# Altium PCB ASCII_LimeSDR-USB_1v4.PcbDoc (part 5 of 10)
Units mm, origin at the board's own origin, x right, y up, seen from the top; angles counter-clockwise.
Board outline 100 x 60 mm, 12 copper layers (Top, L2, L3, L4, L5, L6, L7, L8, L9, L10, L11, Bottom), stack 1.58 mm thick; 858 components, 627 nets, 4063 pads, 2099 vias.
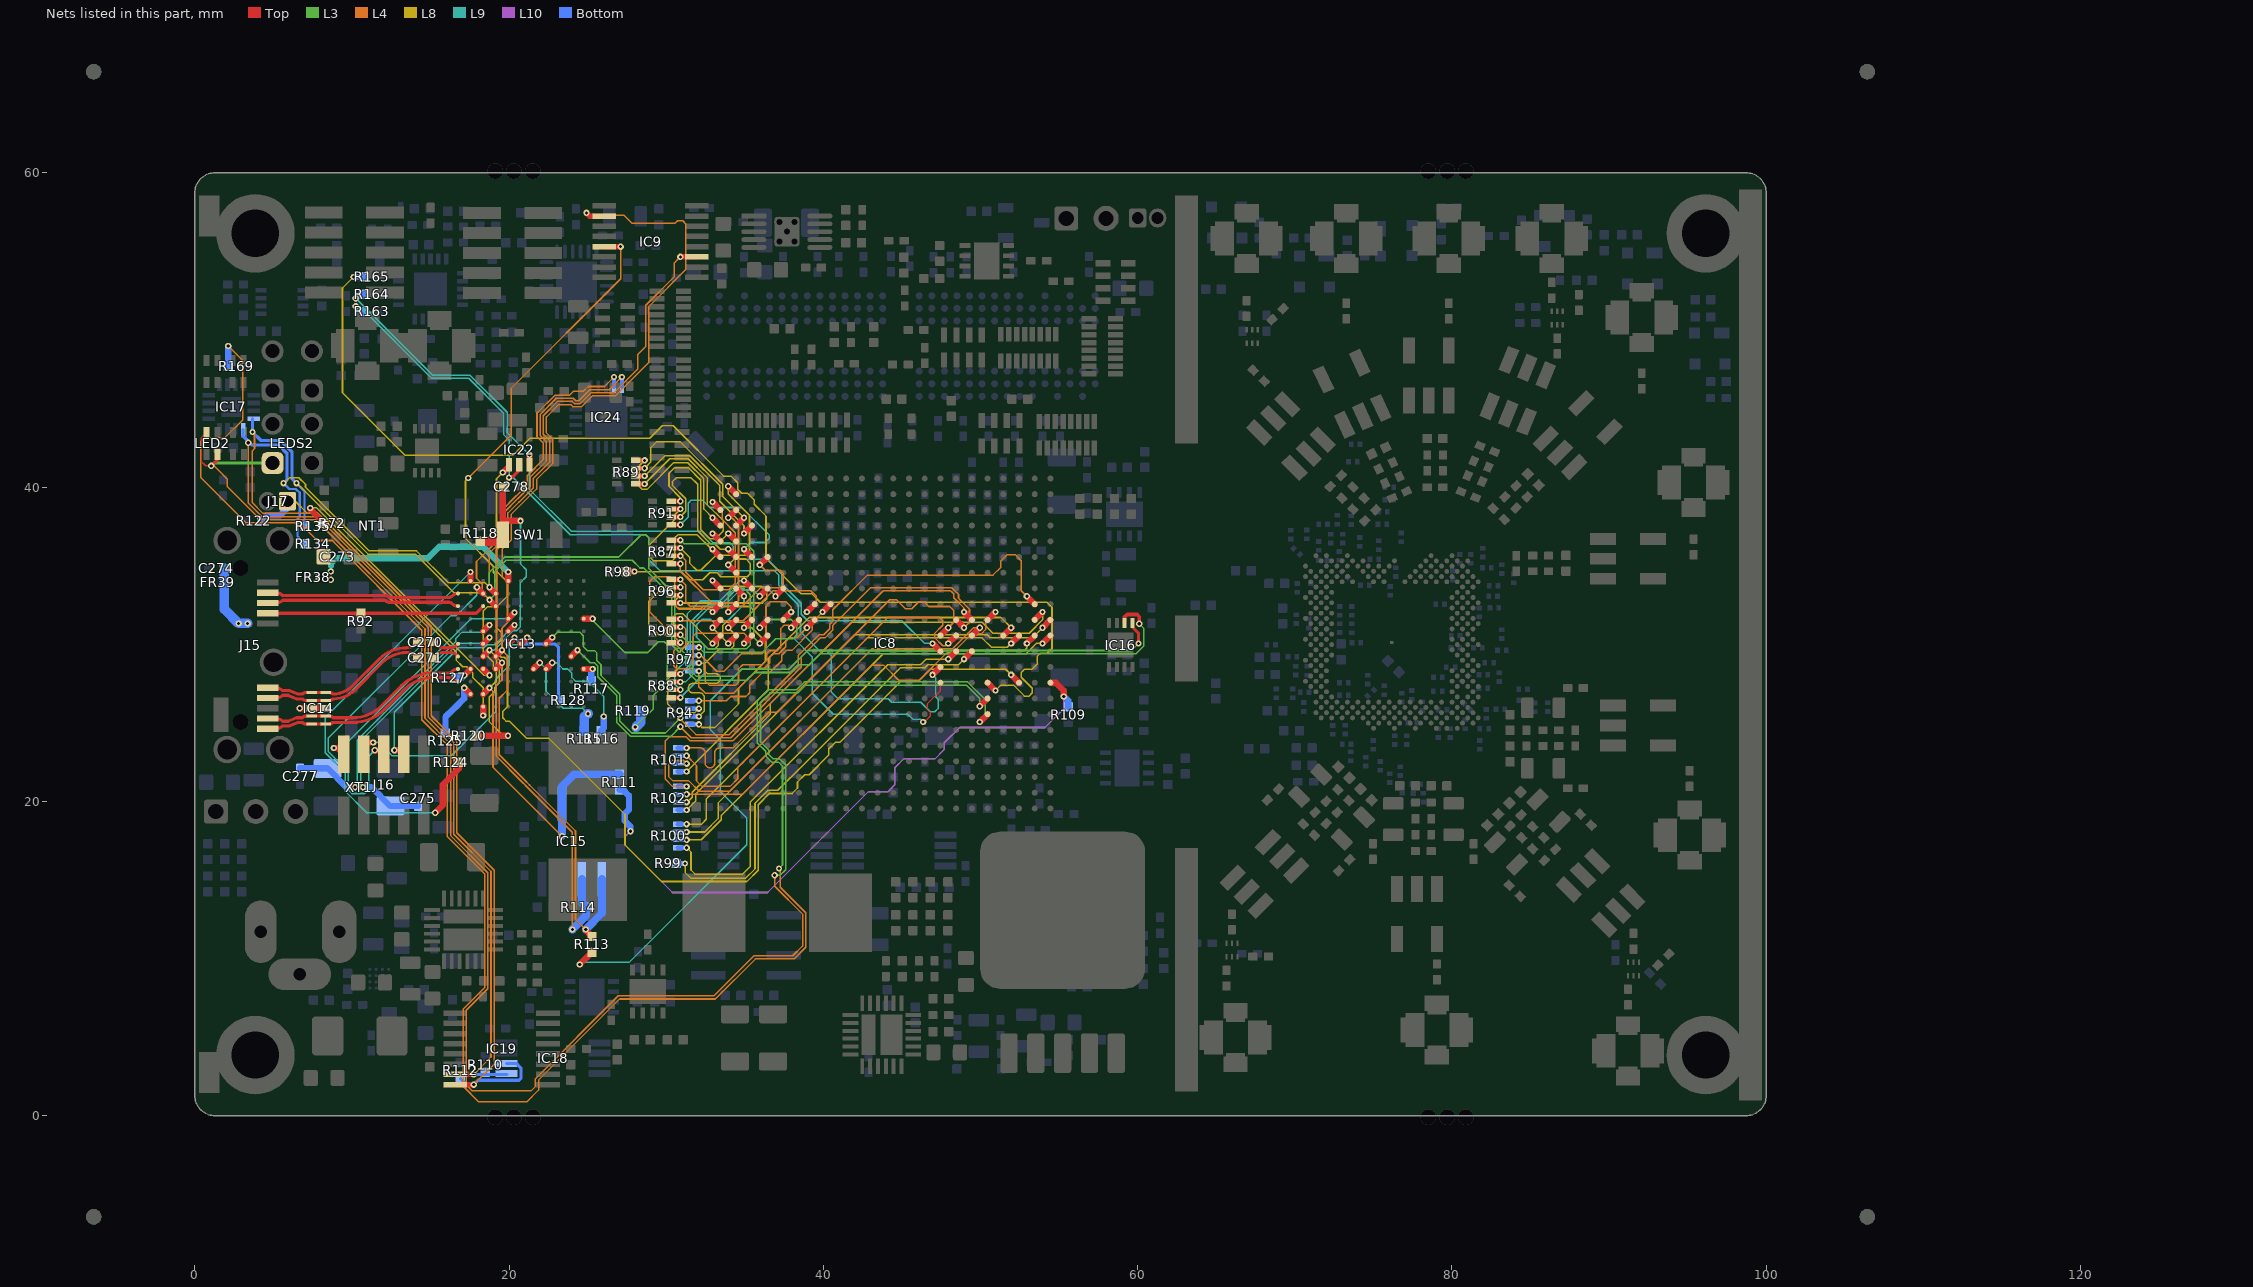
[diagram p13: the nets of this part, all layers, seen from the top]

## Via types
v1: diameter 0.4, hole 0.2, Top to Bottom, tented both sides, 1282 vias
v2: diameter 0.4, hole 0.2, Top to Bottom, tented top, 427 vias
v3: diameter 0.4, hole 0.2, Top to Bottom, 281 vias
v4: diameter 0.31, hole 0.2, Top to Bottom, tented top, 89 vias
v5: diameter 0.5, hole 0.2, Top to Bottom, tented both sides, 20 vias

## Nets (pads, with @x,y where several pads share a name; then routed paths per layer and width w, separated by ;. In a path a pad name is that pad's centre, name@x,y a point inside that pad or via, vN(x,y) a via of type N, cw(c..) or ccw(c..) an arc to the next point about the centre after c; other vN are vias at no path point) (continued)
FPGA_SPI1_ADF_SS: IC8.J5 R165.1 | length 73.3
  Top w0.4: IC8.J5@50.45,27.55 v2(50.95,27.05)
  L8 w0.1: v1(10.1,53.375) 9.4,52.675 9.4,46.008 13.383,42.025 20.25,42.025 21.325,43.1 28.95,43.1 29.75,43.9 30.444,43.9 33.643,40.7 34.125,40.7 34.55,40.275 34.55,39.85 34.8,39.6 35.178,39.6 35.6,39.178 35.6,38.905 36.35,38.155 36.35,35.45 38.6,33.2 39.275,33.2 39.8,32.675 54.225,32.675 54.55,32.35 54.55,29.725 54.25,29.425 53.8,29.425 53.6,29.225 53.6,28.725 53.275,28.4 52.805,28.4 52.6,28.195 52.6,27.905 53.3,27.205 53.3,26.905 53.095,26.7 52.795,26.7 52.095,27.4 51.3,27.4 v2(50.95,27.05)
  Bottom w0.4: v1(10.1,53.375) R165.1@10.775,53.375
FPGA_SPI1_DAC_SS: IC8.J3 IC22.1 | length 64.9
  Top w0.4: v1(19.6,40.925) 20,41.325 IC22.1@20,41.425 ; v1(51.95,28.05) IC8.J3@52.45,27.55
  L8 w0.1: v1(19.6,40.925) 19.2,40.525 19.2,34.65 19.9,33.95 19.9,33.075 19.2,32.375 19.2,31.067 19.5,30.767 19.5,30.275 19.2,29.975 19.2,29.48 19.505,29.175 19.695,29.175 19.9,28.97 19.9,26.025 19.6,25.725 19.6,25.314 19.805,25.109 20.011,25.109 21.095,24.025 22.515,24.025 27.375,19.165 27.375,17.23 29.705,14.9 35.133,14.9 35.85,15.617 35.85,19.792 36.558,20.5 38.009,20.5 38.355,20.846 38.355,21.233 38.822,21.7 39.105,21.7 40.35,22.945 40.35,23.35 40.75,23.75 41.05,23.75 44.975,27.675 46.08,27.675 46.805,28.4 51.6,28.4 v1(51.95,28.05)
FPGA_SPI1_MOSI: IC8.L8 IC22.3 R164.1 | length 51
  Top w0.4: IC22.3@21.3,41.4 IC22.3@21.3,41.425 v1(21.3,42.05) ; v2(46.95,30.05) IC8.L8@47.45,29.55
  L9 w0.1: v1(10.25,52.025) 15.15,47.125 17.508,47.125 19.875,44.758 19.875,43.475 v1(21.3,42.05) 21.3,39.85 23.95,37.2 32.225,37.2 32.975,36.45 34.05,36.45 34.275,36.225 34.275,35.8 34.675,35.4 36.45,35.4 37.35,34.5 37.35,33.85 38.6,32.6 38.6,31.905 39.005,31.5 44.995,31.5 46.445,30.05 v2(46.95,30.05)
  Bottom w0.4: v1(10.25,52.025) 10.5,52.275 R164.1@10.775,52.275 R164.1@10.775,52.175
FPGA_SPI1_SCLK: IC8.K8 IC22.2 R163.1 | length 58.3
  Top w0.2: v1@20.05,40.625 20.2,40.625 20.65,41.075 IC22.2@20.65,41.425
  Top w0.4: v2(46.95,28.05) IC8.K8@47.45,28.55
  L9 w0.1: v1(10.25,51.5) 10.492,51.5 15.067,46.925 17.425,46.925 19.65,44.7 19.65,43.35 20,43 v1(20,40.6) 20.267,40.6 23.892,36.975 28.695,36.975 28.925,36.745 28.925,35.35 29.6,34.675 36.892,34.675 37.15,34.417 37.15,33.767 38.4,32.517 38.4,31.7 38.545,31.555 38.545,30.799 39.743,29.6 40.178,29.6 40.5,29.278 40.5,26.958 40.933,26.525 44.125,26.525 44.35,26.3 46.205,26.3 46.805,25.7 47.095,25.7 47.3,25.905 47.3,26.5 47.15,26.65 47.15,27.85 v2(46.95,28.05)
  Bottom w0.4: v1(10.25,51.5) 10.575,51.175 R163.1@10.775,51.175
FPGA_UART_RX: IC8.J1 R109.2 R111.2 | length 42.2
  Top w0.4: IC8.J1@54.45,27.55 54.8,27.55 55.3,27.05 v2(55.3,26.675)
  L10 w0.1: v1(27.725,18.1) 27.375,17.75 27.375,17.225 30.4,14.2 36.445,14.2 42.845,20.6 44.1,20.6 44.55,21.05 44.55,22.145 45.105,22.7 47.105,22.7 47.7,23.295 47.7,23.725 48.675,24.7 54.105,24.7 55.3,25.895 v2(55.3,26.675)
  Bottom w0.4: R111.2@27.025,20.725 27.25,20.725 27.625,20.35 27.625,19.475 27.359,19.209 27.359,18.759 27.725,18.393 v1(27.725,18.1) ; v2(55.3,26.675) 55.575,26.4 R109.2@55.575,26.025
FPGA_UART_TX: IC8.J8 R113.2 | length 46.9
  Top w0.1: v2(46.35,25.05) 46.431,25.05 46.79,25.409 46.79,25.715 46.6,25.905 46.6,26.195 47.45,27.045 IC8.J8@47.45,27.55
  Top w0.4: v1(24.5,9.625) R113.2@25.275,10.4
  L9 w0.1: v1(24.5,9.625) 24.65,9.775 27.658,9.775 35.125,17.242 35.125,18.944 33.45,20.619 33.45,23.924 32.8,24.574 32.8,26.395 34.805,28.4 35.795,28.4 36.135,28.74 36.145,28.74 37.805,30.4 38.095,30.4 39.3,29.195 39.3,26.875 40.625,25.55 45.375,25.55 45.7,25.225 46.175,25.225 v2(46.35,25.05)
FX3_CTL0: IC8.L6 R99.2 | length 28
  Top w0.4: v2(48.95,29.05) IC8.L6@49.45,29.55
  L8 w0.1: v1(31.2,16.05) 31.2,15.475 31.575,15.1 35.05,15.1 35.65,15.7 35.65,19.875 36.475,20.7 37.105,20.7 38.805,22.4 44.905,28.5 46.45,28.5 46.65,28.7 48.6,28.7 v2(48.95,29.05)
  Bottom w0.3: R99.2@30.625,16.05 v1(31.2,16.05)
FX3_CTL1: IC8.L7 R100.2 | length 27.4
  Top w0.4: v2(47.95,29.05) IC8.L7@48.45,29.55
  L8 w0.1: v1(31.3,17.05) 31.575,16.775 31.575,15.625 31.825,15.375 34.875,15.375 35.35,15.85 35.35,19.955 44.095,28.7 46.175,28.7 46.525,29.05 v2(47.95,29.05)
  Bottom w0.3: R100.2@30.725,17.05 v1(31.3,17.05)
FX3_CTL2: IC8.M1 R100.4 | length 29.3
  Top w0.4: v2(53.95,30.05) IC8.M1@54.45,30.55
  L8 w0.1: v1(31.3,17.55) 32.228,17.55 33.5,18.822 33.5,19.095 43.805,29.4 52.9,29.4 53.55,30.05 v2(53.95,30.05)
  Bottom w0.3: R100.4@30.725,17.55 v1(31.3,17.55)
FX3_CTL3: IC8.M2 R100.6 | length 28.7
  Top w0.4: v2(52.95,30.05) IC8.M2@53.45,30.55
  L8 w0.1: v1(31.3,18.05) 32.445,18.05 33.3,18.905 33.3,19.9 43,29.6 52.8,29.6 52.95,29.75 v2(52.95,30.05)
  Bottom w0.3: R100.6@30.725,18.05 v1(31.3,18.05)
FX3_CTL4: IC8.M3 R100.8 | length 27.9
  Top w0.4: v2(51.95,30.05) IC8.M3@52.45,30.55
  L8 w0.1: v1(31.3,18.55) 32.237,18.55 32.55,18.862 32.55,20.145 42.805,30.4 49.625,30.4 50.095,30.4 50.695,29.8 51.7,29.8 v2(51.95,30.05)
  Bottom w0.3: R100.8@30.725,18.55 v1(31.3,18.55)
FX3_CTL5: IC8.M4 R101.2 | length 27.4
  Top w0.4: IC8.M4@51.45,30.55 v2(51.95,31.05)
  L8 w0.1: v1(31.3,21.9) 36.5,27.1 36.5,29.095 39.105,31.7 51.3,31.7 v2(51.95,31.05)
  Bottom w0.3: R101.2@30.725,21.9 v1(31.3,21.9)
FX3_CTL6: IC8.M6 R101.4 | length 27.9
  Top w0.4: IC8.M6@49.45,30.55 v2(49.95,31.05)
  L4 w0.1: v1(31.3,22.4) 31.075,22.625 30.425,22.625 30.15,22.35 30.15,21.575 30.425,21.3 31.445,21.3 32.095,20.65 34.045,20.65 43.095,29.7 48.2,29.7 49.55,31.05 v2(49.95,31.05)
  Bottom w0.3: R101.4@30.725,22.4 v1(31.3,22.4)
FX3_CTL7: IC8.M7 R101.6 | length 26.3
  Top w0.4: v2(47.95,30.05) IC8.M7@48.45,30.55
  L4 w0.1: v1(31.3,22.9) 31.925,22.275 31.925,21.3 32.25,20.975 34.087,20.975 34.555,21.443 34.555,22.15 34.93,22.525 34.93,22.535 44.095,31.7 47.375,31.7 47.6,31.475 47.6,31.205 47.075,30.68 47.075,30.425 47.6,29.9 47.8,29.9 v2(47.95,30.05)
  Bottom w0.3: R101.6@30.725,22.9 v1(31.3,22.9)
FX3_CTL8: IC8.M8 R101.8 | length 26.1
  Top w0.4: IC8.M8@47.45,30.55 v2(47.95,31.05)
  L4 w0.1: v1(31.3,23.4) 32.175,23.4 cw(c32.175,23.096) 32.479,23.096 32.479,22.434 ccw(c32.783,22.434) 32.783,22.13 ccw(c32.783,22.434) 33.087,22.434 33.087,23.096 cw(c33.391,23.096) 33.391,23.4 33.695,23.4 33.75,23.4 34.25,23.4 36.525,25.675 37.07,25.675 44.22,32.825 44.65,32.825 45.225,32.25 45.625,32.25 46.075,32.7 46.4,32.7 46.7,32.4 48.05,32.4 48.3,32.15 48.3,31.4 v2(47.95,31.05)
  Bottom w0.3: R101.8@30.725,23.4 v1(31.3,23.4)
FX3_CTL9: IC8.N1 R102.2 | length 29.2
  Top w0.4: v2(53.95,31.05) IC8.N1@54.45,31.55
  L8 w0.1: v1(31.3,19.45) 31.875,20.025 31.875,20.47 42.005,30.6 49.753,30.6 50.425,30.6 50.625,30.4 53.3,30.4 v2(53.95,31.05)
  Bottom w0.3: R102.2@30.725,19.45 v1(31.3,19.45)
FX3_CTL10: IC8.N2 R102.4 | length 30.4
  Top w0.4: IC8.N2@53.45,31.55 v2(53.95,32.05)
  L8 w0.1: v1(31.3,19.95) 31.345,19.95 31.65,20.255 31.65,20.575 36.63,25.555 36.63,26.225 41.805,31.4 49.553,31.4 50.095,31.4 50.795,30.7 53.1,30.7 53.95,31.55 v2(53.95,32.05)
  Bottom w0.3: R102.4@30.725,19.95 v1(31.3,19.95)
FX3_CTL11: IC8.N5 R102.6 | length 26.8
  Top w0.4: IC8.N5@50.45,31.55 v2(50.95,32.05)
  L4 w0.1: v1(31.3,20.45) 34.855,20.45 43.055,28.65 43.855,28.65 44.805,27.7 46.095,27.7 47.895,29.5 48.283,29.5 49.46,30.678 50.072,30.678 50.325,30.93 50.325,31.425 v2(50.95,32.05)
  Bottom w0.3: R102.6@30.725,20.45 v1(31.3,20.45)
FX3_CTL12: IC8.N6 R102.8 | length 29.3
  Top w0.4: v2(48.95,32.05) IC8.N6@49.45,31.55
  L4 w0.1: v1(31.3,20.95) 30.4,20.95 29.95,21.4 29.95,23.85 30.225,24.125 31.242,24.125 31.517,23.85 34.255,23.85 43.805,33.4 48.095,33.4 48.3,33.195 48.3,32.95 48.95,32.3 v2(48.95,32.05)
  Bottom w0.3: R102.8@30.725,20.95 v1(31.3,20.95)
FX3_DCTL9: IC8.P2 IC13.H6 | length 45.4
  Top w0.4: IC13.H6@22.35,30.025 v2(22.75,30.425) ; v2(52.95,33.05) IC8.P2@53.45,32.55
  L3 w0.1: v2(22.75,30.425) 23.1,30.775 24.495,30.775 24.725,30.545 24.725,29.85 25,29.575 25.461,29.575 25.566,29.47 25.566,28.984 25.85,28.7 25.85,28.016 27.05,26.816 27.05,25.108 27.808,24.35 29.95,24.35 v1(30.9,25.3)
  L4 w0.1: v1(30.9,25.3) 30.9,25.245 31.895,24.25 34.017,24.25 38.4,28.633 38.4,29.278 39.6,30.478 39.722,30.6 40.017,30.6 40.4,30.983 40.4,31.278 40.6,31.478 40.6,32.195 40.85,32.445 42.805,34.4 49.095,34.4 50.795,34.4 51.3,34.905 51.3,35.319 51.681,35.7 52.219,35.7 52.6,35.319 52.6,33.4 v2(52.95,33.05)
FX3_DCTL10: IC8.N7 IC13.K5 | length 37
  Top w0.4: IC13.K5@23.95,29.225 v2(24.35,29.625) ; IC8.N7@48.45,31.55 v2(48.95,31.05)
  L3 w0.1: v2(24.35,29.625) 24.358,29.625 25.158,28.825 25.442,28.825 25.65,28.617 25.65,27.933 26.85,26.733 26.85,25.025 27.725,24.15 30.3,24.15 v1(30.9,24.75)
  L4 w0.1: v1(30.9,24.75) 31.6,24.05 34.1,24.05 38.6,28.55 38.6,29.195 39.805,30.4 ; 39.8,30.395 39.805,30.4 ; v2(48.95,31.05) 49.3,31.4 49.3,32.233 48.6,32.933 48.6,33.178 48.178,33.6 43.005,33.6 41.09,31.685 40.6,31.195 40.6,30.9 40.1,30.4 39.805,30.4
FX3_DQ0: IC8.M19 R87.2 | length 12.3
  Top w0.3: R87.2@30.325,36.625 v1(30.9,36.625)
  Top w0.4: v2(35.95,30.05) IC8.M19@36.45,30.55
  L3 w0.1: v1(30.9,36.625) 31.118,36.407 35.088,36.407 35.575,35.92 35.575,30.425 v2(35.95,30.05)
FX3_DQ1: IC8.AA21 R87.4 | length 11.7
  Top w0.3: R87.4@30.325,36.125 v1(30.9,36.125)
  Top w0.4: v2(33.95,40.05) IC8.AA21@34.45,39.55
  L8 w0.1: v1(30.9,36.125) 31.487,35.537 31.487,35.163 31.95,34.7 32.2,34.7 33.15,35.65 35.045,35.65 35.3,35.905 35.3,38.205 33.95,39.555 v2(33.95,40.05)
FX3_DQ2: IC8.Y22 R87.6 | length 12
  Top w0.3: R87.6@30.325,35.625 v1(30.9,35.625)
  Top w0.4: v2(32.95,39.05) IC8.Y22@33.45,38.55
  L4 w0.1: v1@30.925,35.65 31.25,35.325 31.25,34.583 32.358,33.475 33.975,33.475 34.4,33.9 34.4,37.095 33.575,37.92 33.575,38.425 v2(32.95,39.05)
FX3_DQ3: IC8.Y21 R87.8 | length 12
  Top w0.3: R87.8@30.325,35.125 v1(30.9,35.125)
  Top w0.4: v2(33.95,38.05) IC8.Y21@34.45,38.55
  L4 w0.1: v1(30.9,35.125) 30.9,34.65 32.925,32.625 34.45,32.625 34.6,32.775 34.6,37.622 34.172,38.05 v2(33.95,38.05)
FX3_DQ4: IC8.W22 R89.2 | length 11.1
  Top w0.3: R89.2@28.05,41.7 v1(28.625,41.7)
  Top w0.4: v2(32.95,38.05) IC8.W22@33.45,37.55
  L8 w0.1: v1(28.625,41.7) 28.275,41.35 28.275,40.055 28.48,39.85 28.77,39.85 30.47,41.55 31.375,41.55 32.4,40.525 32.4,38.6 v2(32.95,38.05)
FX3_DQ5: IC8.W21 R89.4 | length 11.3
  Top w0.3: R89.4@28.05,41.2 v1(28.625,41.2)
  Top w0.4: IC8.W21@34.45,37.55 v2(34.95,38.05)
  L8 w0.1: v1(28.625,41.2) 28.625,41.205 29.025,41.605 29.025,42.525 29.375,42.875 30.903,42.875 33.6,40.178 33.6,39.4 v2(34.95,38.05)
FX3_DQ6: IC8.W20 R89.6 | length 11.1
  Top w0.3: R89.6@28.05,40.7 v1(28.625,40.7)
  Top w0.4: v2(34.95,37.05) IC8.W20@35.45,37.55
  L8 w0.1: v1(28.625,40.7) 29.925,42 31.495,42 33.4,40.095 33.4,39.095 34.95,37.545 v2(34.95,37.05)
FX3_DQ7: IC8.V22 R89.8 | length 11.1
  Top w0.3: R89.8@28.05,40.2 v1(28.625,40.2)
  Top w0.4: v2(32.95,37.05) IC8.V22@33.45,36.55
  L8 w0.1: v1(28.625,40.2) 28.625,40.205 30.22,41.8 31.408,41.8 32.6,40.608 32.6,38.895 33.625,37.87 33.625,37.22 33.6,37.195 33.6,37.175 33.325,36.9 33.1,36.9 v2(32.95,37.05)
FX3_DQ8: IC8.V21 R91.2 | length 11.1
  Top w0.3: R91.2@30.325,39.1 v1(30.9,39.1)
  Top w0.4: v2(33.95,37.05) IC8.V21@34.45,36.55
  L8 w0.1: v1(30.9,39.1) 30.9,39.325 30.175,40.05 30.175,40.875 30.525,41.225 31.417,41.225 32.2,40.442 32.2,37.305 32.805,36.7 33.6,36.7 v2(33.95,37.05)
FX3_DQ9: IC8.U22 R91.4 | length 11.1
  Top w0.3: R91.4@30.325,38.6 v1(30.9,38.6)
  Top w0.4: v2(32.95,36.05) IC8.U22@33.45,35.55
  L8 w0.1: v1(30.9,38.6) 30.9,38.595 30.55,38.245 30.55,37.942 28.9,36.292 28.9,35.6 29.175,35.325 30.4,35.325 30.55,35.475 30.55,36.77 30.755,36.975 31.964,36.975 32.889,36.05 v2(32.95,36.05)
FX3_DQ10: IC8.U21 R91.6 | length 11.3
  Top w0.3: R91.6@30.325,38.1 v1(30.9,38.1)
  Top w0.4: v2(33.95,36.05) IC8.U21@34.45,35.55
  L8 w0.1: v1(30.9,38.1) 30.9,38.105 31.25,38.455 31.25,39.258 30.4,40.108 30.4,40.35 30.65,40.6 31.575,40.6 32,40.175 32,37.222 32.822,36.4 33.095,36.4 33.445,36.05 v2(33.95,36.05)
FX3_DQ11: IC8.U20 R91.8 | length 11.1
  Top w0.3: R91.8@30.325,37.6 v1(30.9,37.6)
  Top w0.4: v2(34.95,36.05) IC8.U20@35.45,35.55
  L9 w0.1: v1(30.9,37.6) 31.4,38.1 31.4,38.975 31.6,39.175 32.3,39.175 32.775,38.7 34.795,38.7 36.55,36.945 36.55,36.725 36.3,36.475 35.375,36.475 v2(34.95,36.05)
FX3_DQ12: IC8.U19 R96.2 | length 12.2
  Top w0.3: R96.2@30.325,34.125 v1(30.9,34.125)
  Top w0.4: v2(35.95,35.05) IC8.U19@36.45,35.55
  L4 w0.1: v1(30.9,34.125) 31.25,33.775 31.25,32.7 31.525,32.425 34.83,32.425 36.005,33.6 37.25,33.6 37.45,33.8 37.45,34.525 37.275,34.7 36.3,34.7 v2(35.95,35.05)
FX3_DQ13: IC8.M22 R96.4 | length 11.1
  Top w0.3: R96.4@30.325,33.625 v1(30.9,33.625)
  Top w0.4: v2(32.95,30.05) IC8.M22@33.45,30.55
  L8 w0.1: v1(30.9,33.625) 29.8,33.625 28.9,32.725 28.9,31.225 29.525,30.6 29.9,30.6 30.45,31.15 30.45,31.725 30.675,31.95 31.05,31.95 v2(32.95,30.05)
FX3_DQ14: IC8.M21 R96.6 | length 11.3
  Top w0.3: R96.6@30.325,33.125 v1(30.9,33.125)
  Top w0.4: v2(33.95,30.05) IC8.M21@34.45,30.55
  L8 w0.1: v1(30.9,33.125) 30.9,33.12 30.55,32.77 30.55,32.48 30.755,32.275 32.22,32.275 32.345,32.4 35.325,32.4 35.575,32.15 35.575,31.65 35.325,31.4 33.805,31.4 33.6,31.195 33.6,30.4 v2(33.95,30.05)
FX3_DQ15: IC8.R22 R96.8 | length 11.1
  Top w0.3: R96.8@30.325,32.625 v1(30.9,32.625)
  Top w0.4: v2(32.95,34.05) IC8.R22@33.45,33.55
  L8 w0.1: v1(30.9,32.625) 36.125,32.625 36.4,32.9 36.4,33.35 36.05,33.7 33.3,33.7 v2(32.95,34.05)
FX3_DQ16: IC8.R21 R88.1 | length 11
  Top w0.3: R88.1@30.325,26.6 v1(30.9,26.6)
  Top w0.4: IC8.R21@34.45,33.55 v2(34.95,33.05)
  L9 w0.1: v1(30.9,26.6) 32.425,28.125 32.425,29.945 31.925,30.445 31.925,31.237 32.288,31.6 32.825,31.6 33.025,31.4 33.825,31.4 34.95,32.525 v2(34.95,33.05)
FX3_DQ17: IC8.R20 R88.3 | length 11.1
  Top w0.3: R88.3@30.325,27.1 v1(30.9,27.1)
  Top w0.4: v2(34.95,34.05) IC8.R20@35.45,33.55
  L9 w0.1: v1(30.9,27.1) 30.55,27.45 30.55,28.245 31.325,29.02 31.325,31.92 32.155,32.75 33.4,32.75 34.7,34.05 v2(34.95,34.05)
FX3_DQ18: IC8.R19 R88.5 | length 10.8
  Top w0.3: R88.5@30.325,27.6 v1(30.9,27.6)
  Top w0.4: v2(35.95,33.05) IC8.R19@36.45,33.55
  L9 w0.1: v1(30.9,27.6) 31.225,27.6 31.725,28.1 31.725,31.32 32.74,32.335 33.585,32.335 34.7,33.45 35.55,33.45 v2(35.95,33.05)
FX3_DQ19: IC8.R18 R88.7 | length 11.4
  Top w0.3: R88.7@30.325,28.1 v1(30.9,28.1)
  Top w0.4: v2(36.95,33.05) IC8.R18@37.45,33.55
  L9 w0.1: v1(30.9,28.1) 31.525,28.725 31.525,31.403 32.657,32.535 33.502,32.535 34.617,33.65 36.35,33.65 v2(36.95,33.05)
FX3_DQ20: IC8.P22 R90.1 | length 11.9
  Top w0.3: R90.1@30.325,30.1 v1(30.9,30.1)
  Top w0.4: v2(32.95,32.05) IC8.P22@33.45,32.55
  L4 w0.1: v1(30.9,30.1) 28.95,32.05 28.95,34 29.25,34.3 30.2,34.3 30.55,33.95 30.55,32.48 30.805,32.225 32.775,32.225 v2(32.95,32.05)
FX3_DQ21: IC8.P21 R90.3 | length 12.2
  Top w0.3: R90.3@30.325,30.6 v1(30.9,30.6)
  Top w0.4: v2(33.95,32.05) IC8.P21@34.45,32.55
  L3 w0.1: v1(30.9,30.6) 31.35,30.15 32.22,30.15 32.67,29.7 35.095,29.7 35.35,29.955 35.35,33.15 34.95,33.55 34.35,33.55 33.95,33.15 v2(33.95,32.05)
FX3_DQ22: IC8.M20 R90.5 | length 12
  Top w0.3: R90.5@30.325,31.1 v1(30.9,31.1)
  Top w0.4: v2(34.95,30.05) IC8.M20@35.45,30.55
  L4 w0.1: v1(30.9,31.1) 31.125,31.1 31.25,30.975 31.25,29.95 31.05,29.75 30.65,29.75 30.475,29.575 30.475,28.625 30.65,28.45 31.575,28.45 31.725,28.6 31.725,30.525 31.9,30.7 34.95,30.7 35.1,30.55 35.1,30.2 v2(34.95,30.05)
FX3_DQ23: IC8.P16 R90.7 | length 12.2
  Top w0.3: R90.7@30.325,31.6 v1(30.9,31.6)
  Top w0.4: v2(38.95,32.05) IC8.P16@39.45,32.55
  L4 w0.1: v1(30.9,31.6) 31,31.5 34.9,31.5 36.8,33.4 39.2,33.4 39.55,33.05 39.55,32.65 v2(38.95,32.05)
FX3_DQ24: IC8.P15 R94.1 | length 12.3
  Top w0.4: v2(39.95,32.05) IC8.P15@40.45,32.55
  L4 w0.1: v1(32.075,26.4) 33.825,26.4 34.1,26.675 35.07,26.675 35.31,26.915 35.31,27.385 36.125,28.2 36.595,28.2 37.345,28.95 37.345,29.295 37.659,29.609 38.004,29.609 39.3,30.905 39.3,31.4 v2(39.95,32.05)
  Bottom w0.3: R94.1@31.5,26.4 v1(32.075,26.4)
FX3_DQ25: IC8.N22 R94.3 | length 11.5
  Top w0.4: v2(32.95,31.05) IC8.N22@33.45,31.55
  L8 w0.1: v1(32.075,25.9) 31.825,25.65 30.65,25.65 30.1,26.2 30.1,27.795 30.675,28.37 30.675,29.325 31.5,30.15 32.22,30.15 32.67,29.7 33.095,29.7 33.3,29.905 33.3,30.7 v2(32.95,31.05)
  Bottom w0.3: R94.3@31.5,25.9 v1(32.075,25.9)
FX3_DQ26: IC8.N21 R94.5 | length 11.7
  Top w0.4: v2(33.95,31.05) IC8.N21@34.45,31.55
  L8 w0.1: v1(32.075,25.4) 32.425,25.75 32.425,26.6 ccw(c32.121,26.6) 32.121,26.904 31.713,26.904 cw(c31.713,27.208) 31.409,27.208 cw(c31.713,27.208) 31.713,27.512 32.425,27.512 33.137,27.512 ccw(c33.137,27.816) 33.441,27.816 ccw(c33.137,27.816) 33.137,28.12 32.729,28.12 cw(c32.729,28.424) 32.425,28.424 32.425,28.45 32.425,28.525 32.425,28.747 33.378,29.7 34.105,29.7 34.3,29.895 34.3,30.7 v2(33.95,31.05)
  Bottom w0.3: R94.5@31.5,25.4 v1(32.075,25.4)
FX3_DQ27: IC8.N20 R94.7 | length 10.9
  Top w0.4: v2(34.95,31.05) IC8.N20@35.45,31.55
  L8 w0.1: v1(32.075,24.9) 32.275,24.7 33.1,24.7 34.6,26.2 34.6,27.195 36.3,28.895 36.3,30.195 35.445,31.05 v2(34.95,31.05)
  Bottom w0.3: R94.7@31.5,24.9 v1(32.075,24.9)
FX3_DQ28: IC8.N19 R97.1 | length 11.4
  Top w0.4: v2(35.95,31.05) IC8.N19@36.45,31.55
  L3 w0.1: v1(32.075,29.8) 32.375,29.5 36.125,29.5 36.975,30.35 38.075,30.35 38.3,30.575 38.3,31.225 37.95,31.575 36.475,31.575 v2(35.95,31.05)
  Bottom w0.3: R97.1@31.5,29.8 v1(32.075,29.8)
FX3_DQ29: IC8.N18 R97.3 | length 11.5
  Top w0.4: IC8.N18@37.45,31.55 v2(37.95,32.05)
  L4 w0.1: v1(32.075,29.3) 32.195,29.3 33.22,28.275 33.67,28.275 34.795,29.4 36.075,29.4 36.35,29.675 36.35,32.425 36.625,32.7 37.625,32.7 37.95,32.375 v2(37.95,32.05)
  Bottom w0.3: R97.3@31.5,29.3 v1(32.075,29.3)
FX3_DQ30: IC8.N17 R97.5 | length 11.4
  Top w0.4: v2(37.95,31.05) IC8.N17@38.45,31.55
  L4 w0.1: v1(32.075,28.8) 32.375,28.8 32.475,28.7 32.475,27.65 32.725,27.4 34.425,27.4 34.6,27.575 34.6,28.425 34.875,28.7 36.1,28.7 36.4,29 36.4,29.425 36.575,29.6 37.084,29.6 37.3,29.816 37.3,31 37.5,31.2 37.8,31.2 v2(37.95,31.05)
  Bottom w0.3: R97.5@31.5,28.8 v1(32.075,28.8)
FX3_DQ31: IC8.N16 R97.7 | length 11.5
  Top w0.4: v2(38.95,31.05) IC8.N16@39.45,31.55
  L4 w0.1: v1(32.075,28.3) 32.075,27.3 32.5,26.875 34.28,26.875 35.88,28.475 36.275,28.475 36.6,28.8 36.6,29.195 36.805,29.4 37.167,29.4 37.6,29.833 37.6,30.195 37.805,30.4 38.3,30.4 v2(38.95,31.05)
  Bottom w0.3: R97.7@31.5,28.3 v1(32.075,28.3)
FX3_FSLC0: IC13.B2 R125.2 | length 3.9
  Top w0.4: v2(17.15,27.225) IC13.B2@17.55,26.825
  Bottom w0.4: R125.2@15.95,24.35 15.95,25.366 16.543,25.959 16.559,25.959 17.15,26.55 v2(17.15,27.225)
FX3_FSLC1: IC13.B4 R127.2 | length 1.1
  Top w0.4: v2(17.15,28.025) IC13.B4@17.55,28.425
  Bottom w0.4: R127.2@16.646,27.875 17,27.875 v2(17.15,28.025)
FX3_FSLC2: IC13.E6 R128.2 | length 7
  Top w0.4: IC13.E6@19.95,30.025 v2(20.35,30.425)
  Bottom w0.2: v2(20.35,30.425) 20.75,30.025 22.916,30.025 23.15,29.791 23.15,26.525 R128.2@23.25,26.425
FX3_GND: C274.2 FR39.1 IC14.3 IC14.8 NT1.1 | length 5.6
  Top w0.4: v1(6.675,25.925) IC14.3@7.787,25.925
  Bottom w0.6: C274.2@1.875,34.85 1.875,33.675 1.875,32.237 v1(2.787,31.325) v1(3.362,31.325)
FX3_I2C_SCL: IC13.D9 IC16.2 IC17.12 IC18.6 IC19.8 IC24.4 R112.1 R135.2 | length 156.3
  Top w0.25: IC16.2@59.175,31.35 59.175,31.725 59.338,31.888 59.962,31.888 60.1,31.75 v1(60.1,31.3)
  Top w0.35: IC19.8@16.7,1.975 v1(17.75,1.975)
  Top w0.4: v2(18.75,32.825) IC13.D9@19.15,32.425
  L3 w0.1: v2(18.75,32.825) 19.1,33.175 19.1,34.65 19.8,35.35 27.83,35.35 28.33,34.85 28.567,34.85 30.35,33.067 30.35,29.967 31.5,28.817 31.5,28.097 31.897,27.7 35.1,27.7 35.6,28.2 37.888,28.2 38.388,28.7 39.095,28.7 39.795,29.4 59.9,29.4 60.4,29.9 60.4,31 v1(60.1,31.3)
  L4 w0.1: v1(3.675,43.5) 3.8,43.375 3.8,42.45 3.65,42.3 3.65,39.016 4.341,38.325 7.867,38.325 15.05,31.142 15.05,25.449 16.675,23.824 16.675,17.999 19.05,15.624 19.05,3.275 v1(17.75,1.975) ; v2(18.75,32.825) 18.3,33.275 18.3,33.825 17.925,34.2 17.925,35.269 19.525,36.869 19.525,38.516 20.459,39.45 20.476,39.45 21.15,40.124 21.15,40.725 22.175,41.75 22.175,42.8 21.775,43.2 21.775,44.745 21.812,44.745 22.917,45.85 23.85,45.85 24.1,46.1 24.725,46.1 25.025,46.4 26.075,46.4 v1(26.675,47)
  L8 w0.1: v1(6.475,40.25) 6.503,40.25 11.017,35.736 14.032,35.736 16.492,33.275 18.3,33.275 v2(18.75,32.825)
  Bottom w0.14: v1(6.475,40.25) 6.98,39.745 6.98,37.52 R135.2@7,37.5
  Bottom w0.2: IC17.12@3.675,44.35 v1(3.675,43.5) 4.2,42.975 4.8,42.975 5.447,42.975 6.175,42.247 6.175,40.55 v1(6.475,40.25) ; R112.1@16.9,2.375 17.3,1.975 v1(17.75,1.975) 18.025,2.25 20.633,2.25 20.75,2.367 20.75,3.034 20.459,3.325 IC18.6@19.85,3.325
  Bottom w0.25: IC24.4@26.675,46.375 v1(26.675,47)
FX3_I2C_SDA: IC13.D10 IC16.1 IC17.13 IC18.5 IC19.7 IC24.5 R110.1 R134.2 | length 151.8
  Top w0.2: IC16.1@59.675,31.35 59.675,31.083 60.05,30.708 v1(60.05,30.05)
  Top w0.35: IC19.7@16.7,2.625 v1(17.75,2.625)
  Top w0.4: v2(18.75,33.625) IC13.D10@19.15,33.225
  L3 w0.1: v2(18.75,33.625) 18.75,34.583 19.717,35.55 26.98,35.55 28.405,36.975 28.695,36.975 28.9,36.77 28.9,34.8 30.55,33.15 30.55,30.05 31.7,28.9 31.7,28.18 31.93,27.95 34.355,27.95 34.805,28.4 37.805,28.4 39.005,29.6 59.6,29.6 v1(60.05,30.05)
  L4 w0.1: v1(3.4,42.825) 3.4,38.983 4.258,38.125 7.784,38.125 14.85,31.059 14.85,25.366 16.475,23.741 16.475,17.916 18.85,15.541 18.85,3.725 v1(17.75,2.625) ; v2(18.75,33.625) 18.75,35.811 19.725,36.786 19.725,38.433 20.542,39.25 20.559,39.25 21.35,40.041 21.35,40.642 22.375,41.667 22.375,42.883 21.975,43.283 21.975,44.625 23,45.65 24.091,45.65 24.241,45.5 24.434,45.5 25.134,46.2 26.375,46.2 v1(27.175,47)
  L8 w0.1: v1@5.663,40.237 6.025,40.6 6.62,40.6 7.045,40.175 7.045,39.991 11.1,35.936 14.114,35.936 16.125,33.925 18.45,33.925 v2(18.75,33.625)
  Bottom w0.14: v1(5.65,40.25) 6.03,39.87 6.44,39.87 6.675,39.635 6.675,38.115 6.53,37.97 6.53,36.87 R134.2@7,36.4
  Bottom w0.2: IC17.13@3.075,43.675 3.075,43.225 3.625,42.675 5.323,42.675 5.875,42.123 5.875,40.475 v1(5.65,40.25) ; v1(17.75,2.625) IC18.5@19.85,2.625
  Bottom w0.25: IC24.5@27.175,46.375 v1(27.175,47)
FX3_INT: IC13.L8 R119.2 | length 13.9
  Top w0.4: IC13.L8@24.75,31.625 v2(25.316,31.625)
  L3 w0.1: v2(25.316,31.625) 25.316,31.519 27.36,29.475 28.825,29.475 29.5,30.15 29.87,30.15 30.075,29.945 30.075,27.63 29.175,26.73 29.175,25.875 v1(28.025,24.725)
  Bottom w0.6: v1@28.075,24.725 28.375,25.025 R119.2@28.375,25.775
FX3_JTAG_TCK: IC13.F6 J16.4 | length 16
  Top w0.4: J16.4@11.025,23.75 v1(11.35,23.75) ; IC13.F6@20.75,30.025 v2(21.15,30.425)
  L9 w0.1: v1(11.35,23.75) 11.7,23.75 12.475,22.975 12.48,22.975 12.555,22.9 16.325,22.9 19.15,25.725 19.15,27.775 20,28.625 20,29.77 20.205,29.975 20.7,29.975 v2(21.15,30.425)
FX3_JTAG_TDI: IC13.E7 J16.8 | length 13.6
  Top w0.4: v1(12.7,23.25) 13.05,23.25 J16.8@13.3,23 ; IC13.E7@19.95,30.825 v2(20.35,31.225)
  L9 w0.1: v1(12.7,23.25) 12.7,25.675 16.795,29.77 18.4,29.77 18.605,29.975 19.1,29.975 v2(20.35,31.225)
FX3_JTAG_TDO: IC13.C10 J16.6 | length 22.9
  Top w0.4: v1(11.45,23.25) 11.775,23.25 J16.6@12.025,23 ; v2(17.95,33.625) IC13.C10@18.35,33.225
  L9 w0.1: v1(11.45,23.25) 11.075,22.875 11.075,20.75 10.825,20.5 10,20.5 9.763,20.737 9.763,21.913 8.5,23.175 8.5,24.025 16.3,31.825 16.65,31.825 17.95,33.125 v2(17.95,33.625)
FX3_JTAG_TMS: IC13.E8 J16.2 | length 16.4
  Top w0.4: v1(8.85,23.4) 9.075,23.4 J16.2@9.475,23 ; IC13.E8@19.95,31.625 v2(20.35,32.025)
  L9 w0.1: v1(8.85,23.4) 9.347,23.4 17.572,31.625 19.95,31.625 v2(20.35,32.025)
FX3_JTAG_TRST: IC13.B11 R124.1 | length 29
  Top w0.4: v1(15.3,19.275) 15.775,19.75 15.775,21.05 16.8,22.075 R124.1@16.8,22.5 ; IC13.B11@17.55,34.025 v2(17.55,34.591)
  L9 w0.1: v1(15.3,19.275) 10.942,19.275 9.563,20.655 9.563,21.83 8.3,23.092 8.3,25.341 v2(17.55,34.591)
FX3_LED_G: IC8.G5 R169.1 | length 123
  Top w0.4: v2(49.95,25.05) IC8.G5@50.45,25.55
  L3 w0.1: v1(37.175,15.725) 37.4,15.95 37.4,22.242 37.142,22.5 36.722,22.5 36.328,22.895 36.328,23.188 35.8,23.715 35.8,26.385 36.517,27.102 38.294,27.102 38.792,27.6 49.178,27.6 50.3,26.478 50.3,25.4 v2(49.95,25.05)
  L4 w0.1: v1(2.125,48.975) 3.063,48.037 3.063,44.288 1.925,43.15 0.63,43.15 0.375,42.895 0.375,40.605 3.255,37.725 6.675,37.725 7.8,36.6 8.744,36.6 14.45,30.894 14.45,25.2 16.075,23.575 16.075,17.75 18.45,15.375 18.45,8.158 17.075,6.783 17.075,1.872 18.072,0.875 21.12,0.875 21.875,1.63 21.875,2.267 27.033,7.425 33.124,7.425 35.674,9.975 38.141,9.975 38.875,10.709 38.875,12.908 37.25,14.533 37.25,15.65 v1(37.175,15.725)
  Bottom w0.4: R169.1@2.125,47.7 v1(2.125,48.975)
FX3_LED_R: IC8.H5 LED2.2 LED2.3 LEDS2.K1 | length 117
  Top w0.1: LED2.2@0.75,43.475 0.4,43.125 0.4,41.65 0.7,41.35 v1(1.05,41.35)
  Top w0.15: LEDS2.K1@4.475,42 LEDS2.K1@4.95,41.525
  Top w0.2: v1(1.05,41.35) 1.45,41.75 LED2.3@1.45,42.075
  Top w0.4: v2(49.95,26.05) IC8.H5@50.45,26.55
  L3 w0.1: v1(36.9,15.3) 37.245,15.3 37.6,15.655 37.6,22.325 37.225,22.7 36.805,22.7 36.528,22.978 36.528,23.27 36,23.798 36,26.302 36.6,26.902 38.377,26.902 38.875,27.4 49.095,27.4 49.95,26.545 v2(49.95,26.05)
  L3 w0.2: v1(1.05,41.35) 1.225,41.525 LEDS2.K1@4.95,41.525
  L4 w0.1: v1(1.05,41.35) 1.22,41.35 2.075,40.495 2.075,40.025 4.175,37.925 7.701,37.925 14.65,30.976 14.65,25.283 16.275,23.658 16.275,17.833 18.65,15.458 18.65,8.075 17.275,6.7 17.275,1.955 17.655,1.575 21.395,1.575 21.675,1.855 21.675,2.35 26.95,7.625 33.041,7.625 35.591,10.175 38.058,10.175 38.675,10.792 38.675,12.825 36.9,14.6 v1(36.9,15.3)
FX3_OTG_ID: IC13.C9 J15.4 R92.2 | length 14.3
  Top w0.2: J15.4@4.212,31.975 17.9,31.975 IC13.C9@18.35,32.425
FX3_PCLK: IC8.T21 R98.1 | length 11.5
  Top w0.4: R98.1@27.45,34.625 v1(27.975,34.625) ; v1(33.95,35.05) IC8.T21@34.45,34.55
  L8 w0.1: v1(27.975,34.625) 30.975,34.625 31.5,34.1 32.325,34.1 32.775,34.55 33.225,34.55 33.475,34.3 35.15,34.3 35.35,34.5 35.35,35.145 35.07,35.425 34.325,35.425 v1(33.95,35.05)
FX3_PMODE0: IC13.G4 R115.2 | length 7
  Top w0.4: IC13.G4@21.55,28.425 v2(21.95,28.825)
  L9 w0.1: v2(21.95,28.825) 22.35,28.425 22.35,27.025 23.45,25.925 24.675,25.925 v1(25.025,25.575)
  Bottom w0.6: R115.2@24.775,24.5 24.775,25.375 24.975,25.575 v1(25.025,25.575)
FX3_PMODE1: IC13.H4 R116.2 | length 7.1
  Top w0.4: IC13.H4@22.35,28.425 v2(22.75,28.825)
  L9 w0.1: v2(22.75,28.825) 23.025,28.825 23.425,28.425 23.725,28.425 24,28.15 24,27.88 24.23,27.65 25.05,27.65 26.025,26.675 v2(26.025,25.4)
  Bottom w0.4: R116.2@25.85,24.5 26.025,24.675 v2(26.025,25.4)
FX3_PMODE2: IC13.L4 R117.2 | length 1.4
  Top w0.4: IC13.L4@24.75,28.425 v2(25.316,28.425)
  Bottom w0.4: R117.2@25.225,27.675 25.225,28.334 v2(25.316,28.425)
FX3_RST: C278.1 IC13.C5 R118.1 R120.2 SW1.2 | length 24.1
  Top w0.4: R120.2@17.925,24.175 v1(19.925,24.175) ; IC13.C5@18.35,29.225 v2(18.75,29.625) ; SW1.2@19.6,36.975 SW1.2@19.6,37.675 ; C278.1@19.675,40.05 19.6,39.975 SW1.2@19.6,37.675 ; v1(20.725,37.85) 19.775,37.85 SW1.2@19.6,37.675
  Top w0.6: R118.1@18.175,36.55 19.175,36.55
  L8 w0.1: v2(18.75,29.625) 19.2,29.175 19.2,28.625 19.375,28.45 19.375,27.55 19.1,27.275 19.1,27 18.75,26.65 18.75,25.058 19.633,24.175 v1(19.925,24.175)
  L9 w0.1: v2(18.75,29.625) 19.033,29.625 20.283,30.875 20.495,30.875 20.7,31.08 20.7,33.9 21.1,34.3 21.1,34.736 20.725,35.111 v1(20.725,37.85)
FX3_SPI_AS_SS: IC13.C4 R72.1 | length 17.7
  Top w0.4: v1(7.35,38.675) 7.35,38.6 R72.1@8.25,37.7 ; IC13.C4@18.35,28.425 v2(18.75,28.025)
  L8 w0.1: v1(7.35,38.675) 7.758,38.675 18.408,28.025 v2(18.75,28.025)
FX3_SPI_FLASH_SS: IC13.C1 J17.1 R122.1 | length 22.6
  Top w0.4: v2(18.35,25.459) IC13.C1@18.35,26.025
  L8 w0.1: J17.1@5.9,39.1 6.4,39.1 7.175,38.325 7.825,38.325 16.625,29.525 16.625,28.996 17.046,28.575 17.3,28.575 17.7,28.175 17.7,27.875 18.35,27.225 v2(18.35,25.459)
  Bottom w0.4: R122.1@4.25,37.85 4.6,38.2 5.425,38.2 5.9,38.675 J17.1@5.9,39.1
FX3_SPI_MISO: IC9.5 IC13.C2 IC15.2 R111.1 | length 54.2
  Top w0.35: IC9.5@26.05,55.3 v1(27.1,55.3)
  Top w0.4: IC13.C2@18.35,26.825 v2(18.75,27.225)
  L4 w0.1: v1(17.4,40.575) 20.15,43.325 20.15,46.3 27.1,53.25 v1(27.1,55.3) ; v2(18.75,27.225) 18.975,27 18.975,22.175 v1(23.365,17.785)
  L8 w0.1: v1(17.4,40.575) 17.225,40.4 17.225,36.73 19,34.955 19,34.567 19.2,34.367 19.2,32.658 18.917,32.375 18.605,32.375 18.35,32.12 18.35,29.525 19,28.875 19,28.45 19.175,28.275 19.175,27.65 v2(18.75,27.225)
  Bottom w0.5: v1(23.365,17.785) IC15.2@23.365,19.85 23.365,20.965 24.125,21.725 R111.1@27.025,21.725
FX3_SPI_MOSI: IC9.2 IC13.D5 IC15.5 R113.1 | length 67.6
  Top w0.35: v1(24.925,57.45) 25.125,57.25 IC9.2@26.05,57.25
  Top w0.4: IC13.D5@19.15,29.225 v2(19.55,29.625) ; v1(24.874,11.851) 24.874,11.801 R113.1@25.275,11.4
  L4 w0.1: 20.992,21.35 19.375,22.967 19.375,26.555 19.9,27.08 19.9,29.275 v2(19.55,29.625) 19.55,31.025 19.9,31.375 19.9,33.975 19.575,34.3 19.575,36.07 20.125,36.62 20.125,38.25 21.75,39.875 21.75,40.476 22.775,41.501 22.775,43.049 22.375,43.449 22.375,44.459 23.166,45.25 23.925,45.25 24.075,45.1 24.6,45.1 25.3,45.8 26.753,45.8 28.9,47.947 28.9,51.492 31.25,53.842 31.25,56.745 31.045,56.95 30.725,56.95 30.575,56.8 27.808,56.8 27.308,57.3 25.075,57.3 v1(24.925,57.45) ; 20.992,21.35 21.3,21.042 21.367,20.975 21.675,20.667 21.717,20.625 ; 21.717,20.625 24.225,18.117 24.225,12.5 v1(24.874,11.851)
  Bottom w0.5: v1(24.874,11.851) 25.905,12.881 IC15.5@25.905,15.05
FX3_SPI_SCLK: IC9.11 IC13.D4 IC15.6 R114.2 | length 57.5
  Top w0.35: v1(30.9,54.65) IC9.11@31.95,54.65
  Top w0.4: IC13.D4@19.15,28.425 v2(19.55,28.825)
  L4 w0.1: 21.284,20.775 21.1,20.959 20.91,21.15 19.175,22.884 19.175,27.35 19.55,27.725 v2(19.55,28.825) 19.2,29.175 19.2,35.978 19.925,36.703 19.925,38.35 20.625,39.05 20.642,39.05 21.55,39.958 21.55,40.559 22.575,41.584 22.575,42.966 22.175,43.366 22.175,44.542 23.083,45.45 24.008,45.45 24.158,45.3 24.517,45.3 25.217,46 26.67,46 28.2,47.53 28.2,48.45 28.7,48.95 28.7,51.575 30.5,53.375 30.5,54.25 v1(30.9,54.65) ; 21.285,20.775 21.475,20.585 ; 21.475,20.584 21.634,20.425 24.025,18.035 v1(24.025,11.85)
  Bottom w0.5: v1(24.025,11.85) 24.9,12.725 R114.2@24.9,13.275 24.635,13.54 IC15.6@24.635,15.05
FX3_USB_D_N: IC13.A10 J15.2 | length 12.3
  Top w0.2: J15.2@4.637,33.275 5.165,33.275 cw(c5.165,32.678) 5.587,33.1 12.169,33.1 cw(c12.169,32.844) 12.35,33.025 ccw(c12.471,33.146) 12.471,32.975 16.146,32.975 ccw(c16.146,33.285) 16.366,33.066 cw(c16.75,32.682) IC13.A10@16.75,33.225
FX3_USB_D_P: IC13.A9 J15.3 | length 12.3
  Top w0.2: J15.3@4.637,32.625 5.165,32.625 ccw(c5.165,33.222) 5.587,32.8 12.021,32.8 cw(c12.021,32.571) 12.183,32.733 ccw(c12.323,32.873) 12.323,32.675 16.146,32.675 cw(c16.146,32.365) 16.366,32.584 ccw(c16.75,32.968) IC13.A9@16.75,32.425
FX3_USB_SSRX_N: IC13.A4 IC14.4 IC14.7 J15.9 | length 13.3
  Top w0.2: J15.9@4.637,25.275 5.165,25.275 cw(c5.165,24.678) 5.587,25.1 5.95,25.1 6.475,25.325 6.837,25.325 cw(c7.079,25.084) 7.079,25.425 IC14.4@7.45,25.425 IC14.7@8.324,25.425 8.545,25.425 cw(c8.545,25.084) 8.786,25.325 10.073,25.325 ccw(c10.073,27.865) 11.869,26.069 13.143,27.343 cw(c15.151,25.335) 15.151,28.175 16.146,28.175 ccw(c16.146,28.485) 16.366,28.266 cw(c16.75,27.882) IC13.A4@16.75,28.425
FX3_USB_SSRX_P: IC13.A3 IC14.5 IC14.6 J15.10 | length 13.3
  Top w0.2: J15.10@4.637,24.625 5.165,24.625 ccw(c5.165,25.222) 5.587,24.8 6.012,24.8 6.537,25.025 6.837,25.025 ccw(c7.079,25.266) 7.079,24.925 IC14.6@8.324,24.925 8.545,24.925 ccw(c8.545,25.266) 8.786,25.025 10.073,25.025 ccw(c10.073,27.865) 12.081,25.857 13.355,27.131 cw(c15.151,25.335) 15.151,27.875 16.146,27.875 cw(c16.146,27.565) 16.366,27.784 ccw(c16.75,28.168) IC13.A3@16.75,27.625
FX3_USB_SSTX_IC_N: C270.2 IC13.A6 | length 1.8
  Top w0.2: C270.2@15.175,30.125 C270.2@15.331,29.969 ; C270.2@15.331,29.969 ccw(c15.8,30.439) 15.8,29.775 16.288,29.775 ccw(c16.288,30.287) 16.65,29.925 IC13.A6@16.75,30.025
FX3_USB_SSTX_IC_P: C271.1 IC13.A5 | length 1.8
  Top w0.2: C271.1@15.175,29.125 15.331,29.281 cw(c15.8,28.811) 15.8,29.475 16.288,29.475 cw(c16.288,28.963) 16.65,29.325 IC13.A5@16.75,29.225
FX3_USB_SSTX_N: C270.1 IC14.1 IC14.10 J15.6 | length 10.8
  Top w0.2: J15.6@4.637,27.225 5.165,27.225 cw(c5.165,26.628) 5.587,27.05 6.012,27.05 6.537,26.825 6.837,26.825 cw(c7.079,26.584) 7.079,26.925 IC14.1@7.45,26.925 IC14.10@8.324,26.925 8.545,26.925 cw(c8.545,26.584) 8.786,26.825 ccw(c8.786,28.549) 10.006,27.33 11.729,29.053 cw(c13.471,27.311) 13.471,29.775 ccw(c13.471,30.629) 14.075,30.025 C270.1@14.175,30.125
FX3_USB_SSTX_P: C271.2 IC14.2 IC14.9 J15.7 | length 10.8
  Top w0.2: J15.7@4.637,26.575 5.165,26.575 ccw(c5.165,27.172) 5.587,26.75 5.95,26.75 6.475,26.525 6.837,26.525 ccw(c7.079,26.766) 7.079,26.425 IC14.2@7.45,26.425 IC14.9@8.324,26.425 8.545,26.425 ccw(c8.545,26.766) 8.786,26.525 8.849,26.525 ccw(c8.849,28.398) 10.174,27.074 11.941,28.841 cw(c13.471,27.311) 13.471,29.475 cw(c13.471,28.621) 14.075,29.225 C271.2@14.175,29.125
FX3_VBUS: C273.2 FR38.2 IC13.E11 | length 13.1
  Top w0.4: IC13.E11@19.95,34.025 v2(19.95,34.591)
  L9 w0.4: 8.669,34.987 8.669,35.169 8.975,35.475 14.825,35.475 15.55,36.2 18.341,36.2 v2(19.95,34.591)
  other v1: 8.65,34.1 8.65,34.625
FX3_XTAL_N: C277.2 IC13.C7 XT1.3 | length 19.2
  Top w0.4: IC13.C7@18.35,30.825 v2(18.75,31.225)
  L9 w0.1: v1(10.2,20.9) 10.35,21.05 10.35,23.926 16.615,30.191 16.615,30.385 17.005,30.775 18.3,30.775 v2(18.75,31.225)
  Bottom w0.4: C277.2@6.7,22.1 XT1.3@8.45,22.1 9.65,20.9 v1(10.2,20.9)
FX3_XTAL_P: C275.2 IC13.C6 XT1.1 | length 18.5
  Top w0.4: IC13.C6@18.35,30.025 v2(18.75,30.425)
  L9 w0.1: v1(10.7,20.9) 10.55,21.05 10.55,23.844 16.756,30.05 18.375,30.05 v2(18.75,30.425)
  Bottom w0.4: v1(10.7,20.9) 11.25,20.9 XT1.1@12.45,19.7 C275.2@14.2,19.7